# Altium PCB LPCB220R0.PcbDoc (part 1 of 4) (continued)
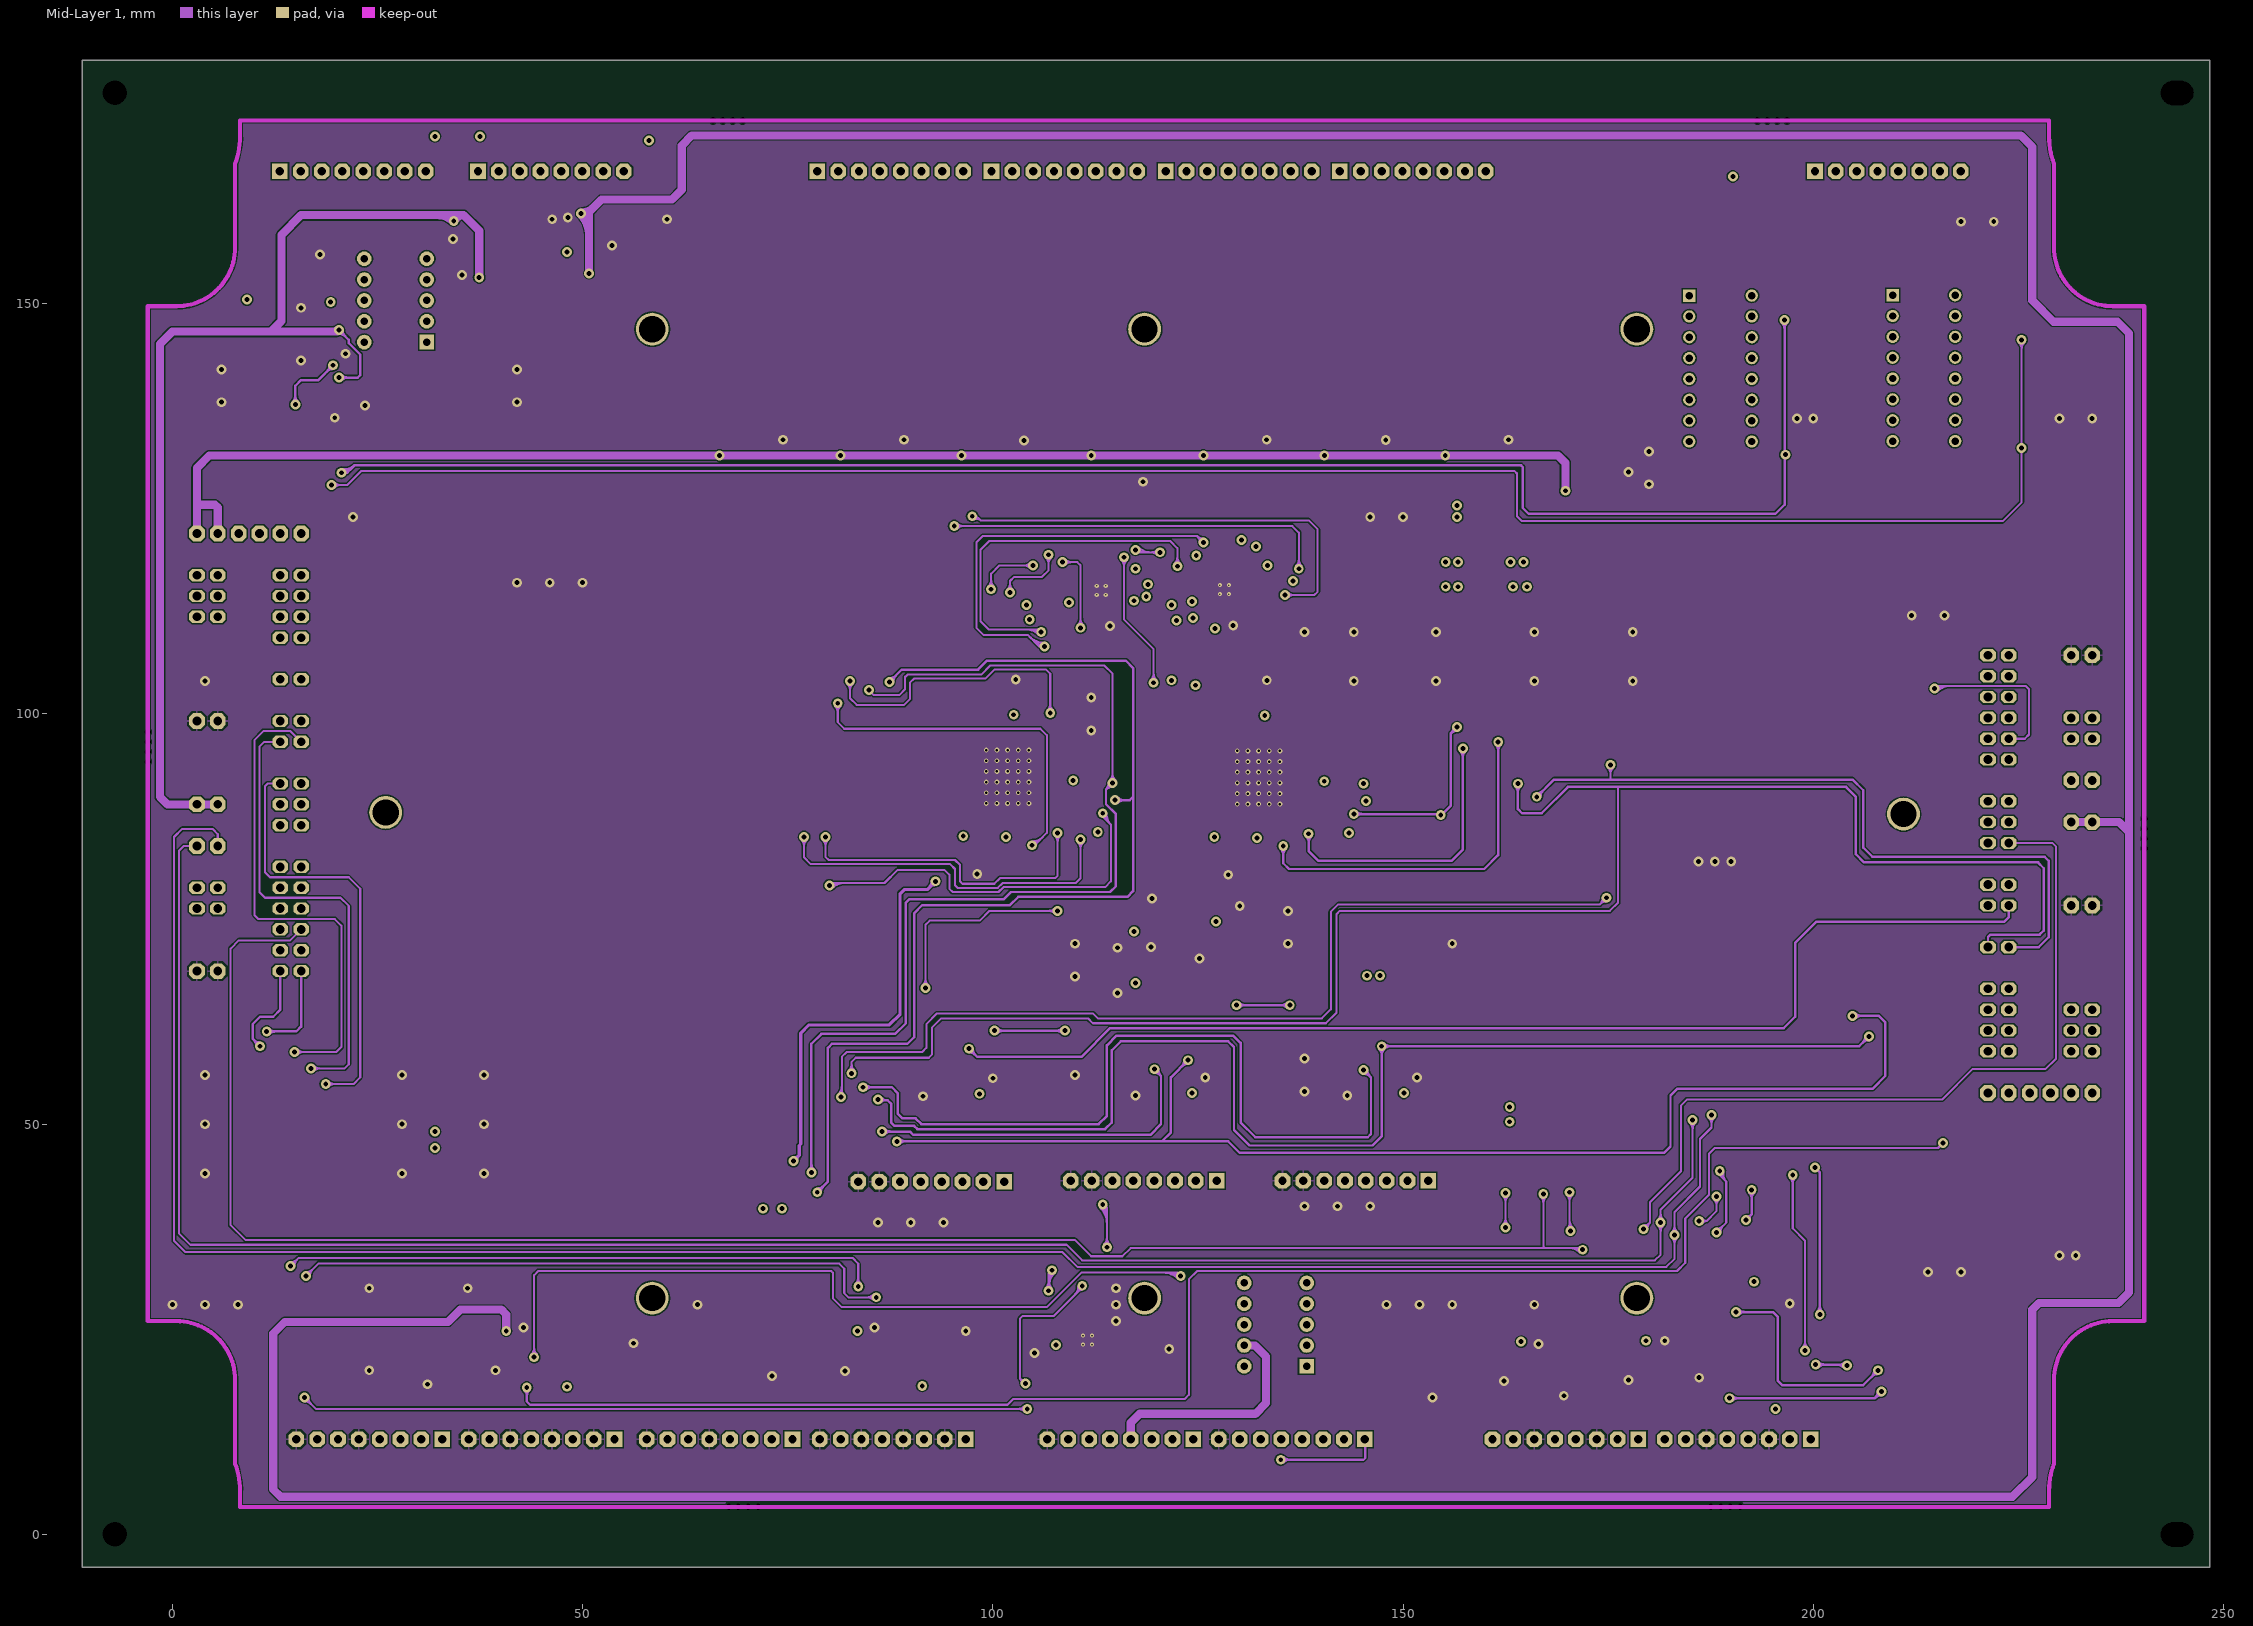
[diagram p3: Mid-Layer 1]

## Layer stack, top to bottom
Top Layer: signal copper 0.0356
Dielectric: core 0.32, FR-4, Dk 4.8
Internal Plane 1: plane copper 0.0356, net DGND
Dielectric: prepreg 0.32, FR-4, Dk 4.8
Mid-Layer 1: signal copper 0.0356
Dielectric: core 0.32, FR-4, Dk 4.8
Bottom Layer: signal copper 0.0356

## Board outline
-11,-4 248.348,-4 248.348,179.695 -11,179.695

## Design rules (kind name [scope] priority, off if disabled: settings)
Clearance [All] p1: gap=0.16
HoleSize [All] p1: absolutevalues=TRUE maxlimit=5 minlimit=0.025 maxpercent=80.000 minpercent=20.000
MinimumSolderMaskSliver [All] p1 off: minsoldermaskwidth=0.1
PlaneClearance [All] p1: clearance=0.6
PlaneConnect [All] p1: planeconnectstyle=Relief reliefexpansion=0.508 reliefentries=4 reliefconductorwidth=0.254 reliefairgap=0.254
PolygonConnect [IsVia] p1: connectstyle=Direct reliefconductorwidth=0.254 reliefentries=4 polygonreliefangle="90 Angle" airgapwidth=0.254
PolygonConnect PolygonConnect_1 [All] p2: connectstyle=Relief reliefconductorwidth=0.254 reliefentries=4 polygonreliefangle="90 Angle" airgapwidth=0.254
RoomDefinition "LPCB220 - OVERVIEW" [InComponentClass('LPCB220 - OVERVIEW')] p1: confinementstyle=ConfineIn formatcopy=TRUE lockcomponents=FALSE outline -79.611,-108.179 -28.811,-108.179 -28.811,-82.779 -79.611,-82.779
RoomDefinition "U_LPCB220 - CORE B" [InComponentClass('U_LPCB220 - CORE B')] p2: confinementstyle=ConfineIn formatcopy=TRUE lockcomponents=FALSE outline -79.611,-108.179 -28.811,-108.179 -28.811,-82.779 -79.611,-82.779
RoomDefinition "U_LPCB220 - THROTTLE MUX TOP" [InComponentClass('U_LPCB220 - THROTTLE MUX TOP')] p3: confinementstyle=ConfineIn formatcopy=TRUE lockcomponents=FALSE outline 107.1,109.7 134.2,109.7 134.2,121.483 107.1,121.483
RoomDefinition "U_LPCB220 - THROTTLE CONNECTORS" [InComponentClass('U_LPCB220 - THROTTLE CONNECTORS')] p4: confinementstyle=ConfineIn formatcopy=TRUE lockcomponents=FALSE outline 76.8,159.6 163.1,159.6 163.1,169.4 76.8,169.4
RoomDefinition "U_LPCB220 - CORE A" [InComponentClass('U_LPCB220 - CORE A')] p5: confinementstyle=ConfineIn formatcopy=TRUE lockcomponents=FALSE outline -79.611,-108.179 -28.811,-108.179 -28.811,-82.779 -79.611,-82.779
RoomDefinition "U_LPCB220 - G210X MUX INTERFACE" [InComponentClass('U_LPCB220 - G210X MUX INTERFACE')] p6: confinementstyle=ConfineIn formatcopy=TRUE lockcomponents=FALSE outline 202.4,33.2 150.1,33.2 150.1,7.85 202.4,7.85
RoomDefinition TH8 [InComponentClass('TH8')] p7: confinementstyle=ConfineIn formatcopy=TRUE lockcomponents=FALSE outline 179.8,126.3 179.8,149.6 166,149.6 166,126.3
RoomDefinition TH7 [InComponentClass('TH7')] p8: confinementstyle=ConfineIn formatcopy=TRUE lockcomponents=FALSE outline 165.159,130.6 165.159,153.9 151.359,153.9 151.359,130.6
RoomDefinition TH6 [InComponentClass('TH6')] p9: confinementstyle=ConfineIn formatcopy=TRUE lockcomponents=FALSE outline 150.417,130.6 150.417,153.9 136.617,153.9 136.617,130.6
RoomDefinition TH5 [InComponentClass('TH5')] p10: confinementstyle=ConfineIn formatcopy=TRUE lockcomponents=FALSE outline 135.676,130.6 135.676,153.9 121.876,153.9 121.876,130.6
RoomDefinition TH4 [InComponentClass('TH4')] p11: confinementstyle=ConfineIn formatcopy=TRUE lockcomponents=FALSE outline 120.9,125.8 120.9,149.1 107.1,149.1 107.1,125.8
RoomDefinition TH3 [InComponentClass('TH3')] p12: confinementstyle=ConfineIn formatcopy=TRUE lockcomponents=FALSE outline 106.193,130.6 106.193,153.9 92.393,153.9 92.393,130.6
RoomDefinition TH2 [InComponentClass('TH2')] p13: confinementstyle=ConfineIn formatcopy=TRUE lockcomponents=FALSE outline 91.451,130.6 91.451,153.9 77.651,153.9 77.651,130.6
RoomDefinition TH1 [InComponentClass('TH1')] p14: confinementstyle=ConfineIn formatcopy=TRUE lockcomponents=FALSE outline 76.71,130.6 76.71,153.9 62.91,153.9 62.91,130.6
RoomDefinition "U_LPCB220 - WATCHDOG" [InComponentClass('U_LPCB220 - WATCHDOG')] p15: confinementstyle=ConfineIn formatcopy=TRUE lockcomponents=FALSE outline 110.575,65.2 132.4,65.2 132.4,78.6 110.575,78.6
RoomDefinition "U_LPCB220 - REMOTE ACCELS" [InComponentClass('U_LPCB220 - REMOTE ACCELS')] p16: confinementstyle=ConfineIn formatcopy=TRUE lockcomponents=FALSE outline 98.405,27.5 13.1,27.5 13.1,8.05 98.405,8.05
RoomDefinition "U_LPCB220 - PUSHER INTERLOCK" [InComponentClass('U_LPCB220 - PUSHER INTERLOCK')] p17: confinementstyle=ConfineIn formatcopy=TRUE lockcomponents=FALSE outline 34.15,152.8 60.85,152.8 60.85,169.9 34.15,169.9
RoomDefinition "U_LPCB220 - MLP INTERFACE" [InComponentClass('U_LPCB220 - MLP INTERFACE')] p18: confinementstyle=ConfineIn formatcopy=TRUE lockcomponents=FALSE outline 191.7,169.4 191.7,160.3 222.4,160.3 222.4,169.4
RoomDefinition "U_LPCB220 - DAC B" [InComponentClass('U_LPCB220 - DAC B')] p19: confinementstyle=ConfineIn formatcopy=TRUE lockcomponents=FALSE outline 144.55,80.35 144.55,105.35 123.2,105.35 123.2,80.35
RoomDefinition "U_LPCB220 - DAC A" [InComponentClass('U_LPCB220 - DAC A')] p20: confinementstyle=ConfineIn formatcopy=TRUE lockcomponents=FALSE outline 113.55,80.15 113.55,104.35 92.6,104.35 92.6,80.15
RoomDefinition "U_LPCB220 - BRAKE FAILSAFE" [InComponentClass('U_LPCB220 - BRAKE FAILSAFE')] p21: confinementstyle=ConfineIn formatcopy=TRUE lockcomponents=FALSE outline 10.11,135.1 33.1,135.1 33.1,169.28 10.11,169.28
RoomDefinition "U_LPCB220 - AUXPROP INTERFACE" [InComponentClass('U_LPCB220 - AUXPROP INTERFACE')] p22: confinementstyle=ConfineIn formatcopy=TRUE lockcomponents=FALSE outline 147.16,33.975 104.85,33.975 104.85,8.495 147.16,8.495
RoomDefinition L3 [InComponentClass('L3')] p23: confinementstyle=ConfineIn formatcopy=TRUE lockcomponents=FALSE outline 156.3,60 132.4,60 132.4,38.45 156.3,38.45
RoomDefinition L2 [InComponentClass('L2')] p24: confinementstyle=ConfineIn formatcopy=TRUE lockcomponents=FALSE outline 130.5,60 106.6,60 106.6,38.45 130.5,38.45
RoomDefinition L1 [InComponentClass('L1')] p25: confinementstyle=ConfineIn formatcopy=TRUE lockcomponents=FALSE outline 104.6,59.9 80.7,59.9 80.7,38.35 104.6,38.35
RoomDefinition BL2 [InComponentClass('BL2')] p26: confinementstyle=ConfineIn formatcopy=TRUE lockcomponents=FALSE outline 230.64,130.15 230.64,154.65 207.64,154.65 207.64,130.15
RoomDefinition BL1 [InComponentClass('BL1')] p27: confinementstyle=ConfineIn formatcopy=TRUE lockcomponents=FALSE outline 205.85,130.1 205.85,154.6 182.85,154.6 182.85,130.1
RoutingVias [All] p1: holewidth=0.6 width=1.2 viastyle="Through Hole" minholewidth=0.6 minwidth=1.2 maxholewidth=1 maxwidth=3
SilkToSilkClearance [All] p1 off: silktosilkclearance=0.254
SilkToSolderMaskClearance [IsPad] p1 off: minsilkscreentomaskgap=0.254 clearancetoexposedcopper=TRUE
SolderMaskExpansion [All] p1: expansion=0.102
Width [All] p1: maxlimit=2 minlimit=0.254 preferedwidth=0.254
22 further rules are at their usual default settings.

## Classes and differential pairs
component class "U_LPCB220 - THROTTLE CONNECTORS": CN16 CN17 CN18 CN19
component class "LPCB220 - OVERVIEW": LBL1 LBL2 SN1 SN2 SN3 SN4 SN5 SN6
component class BL1: C21_BL1 C22_BL1 C23_BL1 IC11_BL1 IC12_BL1 R13_BL1 R14_BL1 TP24_BL1
component class BL2: C21_BL2 C22_BL2 C23_BL2 IC11_BL2 IC12_BL2 R13_BL2 R14_BL2 TP24_BL2
component class L1: C36_L1 CN12_L1 IC16_L1 R5_L1 R12_L1 TP15_L1 TP16_L1
component class L2: C36_L2 CN12_L2 IC16_L2 R5_L2 R12_L2 TP15_L2 TP16_L2
component class L3: C36_L3 CN12_L3 IC16_L3 R5_L3 R12_L3 TP15_L3 TP16_L3
component class "U_LPCB220 - AUXPROP INTERFACE": C1 CN3 CN4 D1 IC1 IC2 RLY1
component class "U_LPCB220 - BRAKE FAILSAFE": C2 C3 CN7 D2 IC6 IC7 IC8 RLY2 TP25 TP26 TP27
component class "U_LPCB220 - CORE A": CN8 R1 R2 R3 R4
component class "U_LPCB220 - CORE B": CN9 R6 R7 R8 R9
component class "U_LPCB220 - DAC A": C4 C5 C6 C13 C14 C15 C16 IC9 R10 TP1 TP2 TP3 TP4 TP5 TP6 TP7
component class "U_LPCB220 - DAC B": C17 C18 C19 C20 C24 C25 C26 IC10 R11 TP8 TP9 TP10 TP11 TP12 TP13 TP14
component class "U_LPCB220 - MLP INTERFACE": CN13 D3 D4
component class "U_LPCB220 - PUSHER INTERLOCK": C37 C38 C39 C40 C41 C42 C43 C44 CN14 IC17 IC18
component class "U_LPCB220 - REMOTE ACCELS": C7 C8 C9 C10 C11 C12 C45 C46 C47 C48 CN1 CN2 CN5 CN6 IC3 IC4 IC5 IC19
component class "U_LPCB220 - WATCHDOG": C54 C55 C56 IC23 IC24 IC25 R21 R22
net class A_AP_THROTTLE[1..2]: A_AP_THROTTLE1 A_AP_THROTTLE2
net class A_HE_THROTTLE[1..8]: A_HE_THROTTLE1 A_HE_THROTTLE2 A_HE_THROTTLE3 A_HE_THROTTLE4 A_HE_THROTTLE5 A_HE_THROTTLE6 A_HE_THROTTLE7 A_HE_THROTTLE8
net class B_AP_THROTTLE[1..2]: B_AP_THROTTLE1 B_AP_THROTTLE2
net class B_HE_THROTTLE[1..8]: B_HE_THROTTLE1 B_HE_THROTTLE2 B_HE_THROTTLE3 B_HE_THROTTLE4 B_HE_THROTTLE5 B_HE_THROTTLE6 B_HE_THROTTLE7 B_HE_THROTTLE8
net class BL_MA420IN[1..2]: BL_MA420IN1 BL_MA420IN2
net class BRAKE_MLP[1..2]: BRAKE_MLP1 BRAKE_MLP2
net class LASER_RX[1..3]: LASER_RX1 LASER_RX2 LASER_RX3
net class LASER_TX[1..3]: LASER_TX1 LASER_TX2 LASER_TX3
channel class "LPCB220 - BRAKE MLP CHANNEL": BL1 BL2
channel class "LPCB220 - LASER CHANNEL": L1 L2 L3
component class TH1: C49_TH1 C50_TH1 C51_TH1 IC20_TH1 R19_TH1 R20_TH1 TP17_TH1
component class TH2: C49_TH2 C50_TH2 C51_TH2 IC20_TH2 R19_TH2 R20_TH2 TP17_TH2
component class TH3: C49_TH3 C50_TH3 C51_TH3 IC20_TH3 R19_TH3 R20_TH3 TP17_TH3
component class TH4: C49_TH4 C50_TH4 C51_TH4 IC20_TH4 R19_TH4 R20_TH4 TP17_TH4
component class TH5: C49_TH5 C50_TH5 C51_TH5 IC20_TH5 R19_TH5 R20_TH5 TP17_TH5
component class TH6: C49_TH6 C50_TH6 C51_TH6 IC20_TH6 R19_TH6 R20_TH6 TP17_TH6
component class TH7: C49_TH7 C50_TH7 C51_TH7 IC20_TH7 R19_TH7 R20_TH7 TP17_TH7
component class TH8: C49_TH8 C50_TH8 C51_TH8 IC20_TH8 R19_TH8 R20_TH8 TP17_TH8
component class "U_LPCB220 - G210X MUX INTERFACE": C27 C28 C29 C30 C31 C32 C33 C34 C35 CN10 CN11 IC13 IC14 IC15 TP18 TP19 TP20 TP21 TP22 TP23
component class "U_LPCB220 - THROTTLE MUX TOP": C52 C53 IC21 IC22
net class HEC_5V[1..8]: HEC_5V1 HEC_5V2 HEC_5V3 HEC_5V4 HEC_5V5 HEC_5V6 HEC_5V7 HEC_5V8
net class HEC_GND[1..8]: HEC_GND1 HEC_GND2 HEC_GND3 HEC_GND4 HEC_GND5 HEC_GND6 HEC_GND7 HEC_GND8
net class HEC_SIG[1..8]: HEC_SIG1 HEC_SIG2 HEC_SIG3 HEC_SIG4 HEC_SIG5 HEC_SIG6 HEC_SIG7 HEC_SIG8
net class THROT_IN[1..8]: THROT_IN1 THROT_IN2 THROT_IN3 THROT_IN4 THROT_IN5 THROT_IN6 THROT_IN7 THROT_IN8
channel class "LPCB220 - THROTTLE ISO CHANNEL": TH1 TH2 TH3 TH4 TH5 TH6 TH7 TH8

## Components (designator, comment, footprint, x,y, rotation, side; value= is the part's Value field where it differs from the comment)
C1 "100n / 50V / 10% / SMD 0603" LFP011__CC1608-0603-IPC7351_B 105.9,23.4 r180 top
C2 "100n / 50V / 10% / SMD 0603" LFP011__CC1608-0603-IPC7351_B 19.8,144.7 r270 top
C3 "100n / 50V / 10% / SMD 0603" LFP011__CC1608-0603-IPC7351_B 19.8,138.2 r270 top
C4 "100n / 50V / 10% / SMD 0603" LFP011__CC1608-0603-IPC7351_B 101.55,83.05 r270 top
C5 "100n / 50V / 10% / SMD 0603" LFP011__CC1608-0603-IPC7351_B 102.55,101.75 r90 top
C6 "100n / 50V / 10% / SMD 0603" LFP011__CC1608-0603-IPC7351_B 98.55,83.05 r270 top
C7 "100n / 50V / 10% / SMD 0603" LFP011__CC1608-0603-IPC7351_B 89.1,18.7 r270 top
C8 "100n / 50V / 10% / SMD 0603" LFP011__CC1608-0603-IPC7351_B 45.8,18.7 r270 top
C9 "100n / 50V / 10% / SMD 0603" LFP011__CC1608-0603-IPC7351_B 38.5,24.8 r180 top
C10 "100n / 50V / 10% / SMD 0603" LFP011__CC1608-0603-IPC7351_B 31.9,23.6 r180 top
C11 "100n / 50V / 10% / SMD 0603" LFP011__CC1608-0603-IPC7351_B 31.9,21.6 r180 top
C12 "100n / 50V / 10% / SMD 0603" LFP011__CC1608-0603-IPC7351_B 31.9,19.9 r180 top
C13 "100n / 50V / 10% / SMD 0603" LFP011__CC1608-0603-IPC7351_B 97.35,83.05 r270 top
C14 "100n / 50V / 10% / SMD 0603" LFP011__CC1608-0603-IPC7351_B 111.75,91.55 r0 top
C15 "100n / 50V / 10% / SMD 0603" LFP011__CC1608-0603-IPC7351_B 111.75,93.25 r0 top
C16 "4.7uF / 25V / 10% / SMD 0805" LFP010__CC2012-0805-IPC7351_B 98.55,101.85 r270 top
C17 "100n / 50V / 10% / SMD 0603" LFP011__CC1608-0603-IPC7351_B 133.1,101.8 r90 top
C18 "100n / 50V / 10% / SMD 0603" LFP011__CC1608-0603-IPC7351_B 127.9,82.8 r270 top
C19 "100n / 50V / 10% / SMD 0603" LFP011__CC1608-0603-IPC7351_B 129.1,82.8 r270 top
C20 "100n / 50V / 10% / SMD 0603" LFP011__CC1608-0603-IPC7351_B 132.15,82.05 r270 top
C21_BL1 "10pF / 50V / 5% / SMD 0603" LFP011__CC1608-0603-IPC7351_B 198.6,146.9 r90 top (schematic designator C21)
C21_BL2 "10pF / 50V / 5% / SMD 0603" LFP011__CC1608-0603-IPC7351_B 223.39,146.95 r90 top (schematic designator C21)
C22_BL1 "100n / 50V / 10% / SMD 0603" LFP011__CC1608-0603-IPC7351_B 194.6,151.8 r90 top (schematic designator C22)
C22_BL2 "100n / 50V / 10% / SMD 0603" LFP011__CC1608-0603-IPC7351_B 219.39,151.85 r90 top (schematic designator C22)
C23_BL1 "1uF / 50V / 10% / SMD 0805" LFP010__CC2012-0805-IPC7351_B 196.6,152 r90 top (schematic designator C23)
C23_BL2 "1uF / 50V / 10% / SMD 0805" LFP010__CC2012-0805-IPC7351_B 221.39,152.05 r90 top (schematic designator C23)
C24 "100n / 50V / 10% / SMD 0603" LFP011__CC1608-0603-IPC7351_B 142.75,91.45 r0 top
C25 "100n / 50V / 10% / SMD 0603" LFP011__CC1608-0603-IPC7351_B 142.75,93.15 r0 top
C26 "4.7uF / 25V / 10% / SMD 0805" LFP010__CC2012-0805-IPC7351_B 129.1,101.8 r270 top
C27 "100n / 50V / 10% / SMD 0603" LFP011__CC1608-0603-IPC7351_B 195.4,30 r90 top
C28 "100n / 50V / 10% / SMD 0603" LFP011__CC1608-0603-IPC7351_B 177.2,23.5 r180 top
C29 "100n / 50V / 10% / SMD 0603" LFP011__CC1608-0603-IPC7351_B 161.5,23.4 r180 top
C30 "100n / 50V / 10% / SMD 0603" LFP011__CC1608-0603-IPC7351_B 170.4,20 r180 top
C31 "100n / 50V / 10% / SMD 0603" LFP011__CC1608-0603-IPC7351_B 170.5,22.2 r180 top
C32 "100n / 50V / 10% / SMD 0603" LFP011__CC1608-0603-IPC7351_B 154.4,20 r180 top
C33 "100n / 50V / 10% / SMD 0603" LFP011__CC1608-0603-IPC7351_B 154.4,22.1 r180 top
C34 "100n / 50V / 10% / SMD 0603" LFP011__CC1608-0603-IPC7351_B 170.4,18.2 r180 top
C35 "100n / 50V / 10% / SMD 0603" LFP011__CC1608-0603-IPC7351_B 154.4,18.3 r180 top
C36_L1 "100n / 50V / 10% / SMD 0603" LFP011__CC1608-0603-IPC7351_B 97.7,55.6 r0 top (schematic designator C36)
C36_L2 "100n / 50V / 10% / SMD 0603" LFP011__CC1608-0603-IPC7351_B 123.6,55.7 r0 top (schematic designator C36)
C36_L3 "100n / 50V / 10% / SMD 0603" LFP011__CC1608-0603-IPC7351_B 149.4,55.7 r0 top (schematic designator C36)
C37 "100n / 50V / 10% / SMD 0603" LFP011__CC1608-0603-IPC7351_B 39.35,153.9 r0 top
C38 "100n / 50V / 10% / SMD 0603" LFP011__CC1608-0603-IPC7351_B 45.55,155 r0 top
C39 "100n / 50V / 10% / SMD 0603" LFP011__CC1608-0603-IPC7351_B 45.55,157 r0 top
C40 "100n / 50V / 10% / SMD 0603" LFP011__CC1608-0603-IPC7351_B 45.55,158.8 r0 top
C41 "100n / 50V / 10% / SMD 0603" LFP011__CC1608-0603-IPC7351_B 53.05,153.8 r0 top
C42 "100n / 50V / 10% / SMD 0603" LFP011__CC1608-0603-IPC7351_B 59.6,155 r0 top
C43 "100n / 50V / 10% / SMD 0603" LFP011__CC1608-0603-IPC7351_B 59.6,157 r0 top
C44 "100n / 50V / 10% / SMD 0603" LFP011__CC1608-0603-IPC7351_B 59.55,158.8 r0 top
C45 "100n / 50V / 10% / SMD 0603" LFP011__CC1608-0603-IPC7351_B 81.4,25 r180 top
C46 "100n / 50V / 10% / SMD 0603" LFP011__CC1608-0603-IPC7351_B 74.8,23.6 r180 top
C47 "100n / 50V / 10% / SMD 0603" LFP011__CC1608-0603-IPC7351_B 74.8,21.7 r180 top
C48 "100n / 50V / 10% / SMD 0603" LFP011__CC1608-0603-IPC7351_B 74.8,20 r180 top
C49_TH1 "100n / 50V / 10% / SMD 0603" LFP011__CC1608-0603-IPC7351_B 66.11,149.4 r0 top (schematic designator C49)
C49_TH2 "100n / 50V / 10% / SMD 0603" LFP011__CC1608-0603-IPC7351_B 80.851,149.4 r0 top (schematic designator C49)
C49_TH3 "100n / 50V / 10% / SMD 0603" LFP011__CC1608-0603-IPC7351_B 95.593,149.4 r0 top (schematic designator C49)
C49_TH4 "100n / 50V / 10% / SMD 0603" LFP011__CC1608-0603-IPC7351_B 110.3,144.6 r0 top (schematic designator C49)
C49_TH5 "100n / 50V / 10% / SMD 0603" LFP011__CC1608-0603-IPC7351_B 125.076,149.4 r0 top (schematic designator C49)
C49_TH6 "100n / 50V / 10% / SMD 0603" LFP011__CC1608-0603-IPC7351_B 139.817,149.4 r0 top (schematic designator C49)
C49_TH7 "100n / 50V / 10% / SMD 0603" LFP011__CC1608-0603-IPC7351_B 154.559,149.4 r0 top (schematic designator C49)
C49_TH8 "100n / 50V / 10% / SMD 0603" LFP011__CC1608-0603-IPC7351_B 169.2,145.1 r0 top (schematic designator C49)
C50_TH1 "1uF / 50V / 10% / SMD 0805" LFP010__CC2012-0805-IPC7351_B 65.91,151.4 r0 top (schematic designator C50)
C50_TH2 "1uF / 50V / 10% / SMD 0805" LFP010__CC2012-0805-IPC7351_B 80.651,151.4 r0 top (schematic designator C50)
C50_TH3 "1uF / 50V / 10% / SMD 0805" LFP010__CC2012-0805-IPC7351_B 95.393,151.4 r0 top (schematic designator C50)
C50_TH4 "1uF / 50V / 10% / SMD 0805" LFP010__CC2012-0805-IPC7351_B 110.1,146.6 r0 top (schematic designator C50)
C50_TH5 "1uF / 50V / 10% / SMD 0805" LFP010__CC2012-0805-IPC7351_B 124.876,151.4 r0 top (schematic designator C50)
C50_TH6 "1uF / 50V / 10% / SMD 0805" LFP010__CC2012-0805-IPC7351_B 139.617,151.4 r0 top (schematic designator C50)
C50_TH7 "1uF / 50V / 10% / SMD 0805" LFP010__CC2012-0805-IPC7351_B 154.359,151.4 r0 top (schematic designator C50)
C50_TH8 "1uF / 50V / 10% / SMD 0805" LFP010__CC2012-0805-IPC7351_B 169,147.1 r0 top (schematic designator C50)
C51_TH1 "100n / 50V / 10% / SMD 0603" LFP011__CC1608-0603-IPC7351_B 66.01,133.2 r180 top (schematic designator C51)
C51_TH2 "100n / 50V / 10% / SMD 0603" LFP011__CC1608-0603-IPC7351_B 80.751,133.2 r180 top (schematic designator C51)
C51_TH3 "100n / 50V / 10% / SMD 0603" LFP011__CC1608-0603-IPC7351_B 95.493,133.2 r180 top (schematic designator C51)
C51_TH4 "100n / 50V / 10% / SMD 0603" LFP011__CC1608-0603-IPC7351_B 110.2,128.4 r180 top (schematic designator C51)
C51_TH5 "100n / 50V / 10% / SMD 0603" LFP011__CC1608-0603-IPC7351_B 124.976,133.2 r180 top (schematic designator C51)
C51_TH6 "100n / 50V / 10% / SMD 0603" LFP011__CC1608-0603-IPC7351_B 139.717,133.2 r180 top (schematic designator C51)
C51_TH7 "100n / 50V / 10% / SMD 0603" LFP011__CC1608-0603-IPC7351_B 154.459,133.2 r180 top (schematic designator C51)
C51_TH8 "100n / 50V / 10% / SMD 0603" LFP011__CC1608-0603-IPC7351_B 169.1,128.9 r180 top (schematic designator C51)
C52 "100n / 50V / 10% / SMD 0603" LFP011__CC1608-0603-IPC7351_B 107.1,114.8 r180 top
C53 "100n / 50V / 10% / SMD 0603" LFP011__CC1608-0603-IPC7351_B 122,114.9 r180 top
C54 "100n / 50V / 10% / SMD 0603" LFP011__CC1608-0603-IPC7351_B 115.2,73.9 r270 top
C55 "100n / 50V / 10% / SMD 0603" LFP011__CC1608-0603-IPC7351_B 129,74.7 r90 top
C56 "100n / 50V / 10% / SMD 0603" LFP011__CC1608-0603-IPC7351_B 115.2,68.2 r270 top
CN1 "640456-8" 640456-8 66.7,11.6 r180 top
CN2 "640456-8" 640456-8 24,11.6 r180 top
CN3 "640456-8" 640456-8 136.45,11.6 r180 top
CN4 "640456-8" 640456-8 115.55,11.6 r180 top
CN5 "640456-8" 640456-8 87.8,11.6 r180 top
CN6 "640456-8" 640456-8 45,11.6 r180 top
CN7 "640456-8" 640456-8 22,166.138 r0 top
CN8 "RLOOP_NODE_CORE" RLOOP_NODE_CORE 3,122 r270 top locked
CN9 "RLOOP_NODE_CORE" RLOOP_NODE_CORE 234,53.8 r90 top locked
CN10 "640456-8" 640456-8 190.8,11.6 r180 top
CN11 "640456-8" 640456-8 169.8,11.6 r180 top
CN12_L1 "640456-8" 640456-8 92.5,43 r180 top (schematic designator CN12)
CN12_L2 "640456-8" 640456-8 118.4,43.1 r180 top (schematic designator CN12)
CN12_L3 "640456-8" 640456-8 144.2,43.1 r180 top (schematic designator CN12)
CN13 "640456-8" 640456-8 209.1,166.138 r0 top
CN14 "640456-8" 640456-8 46.15,166.138 r0 top
CN16 "640456-8" 640456-8 87.5,166.138 r0 top
CN17 "640456-8" 640456-8 108.733,166.138 r0 top
CN18 "640456-8" 640456-8 129.967,166.138 r0 top